# Altium PCB 便携T12烙铁2.PcbDoc (part 1 of 2)
Units mm, origin at the board's own origin, x right, y up, seen from the top; angles counter-clockwise.
Board outline 100 x 95 mm, 2 copper layers (Top Layer, Bottom Layer); 155 components, 22 nets, 605 pads, 185 vias.
Unrouted connection lines stored in the file: 84.
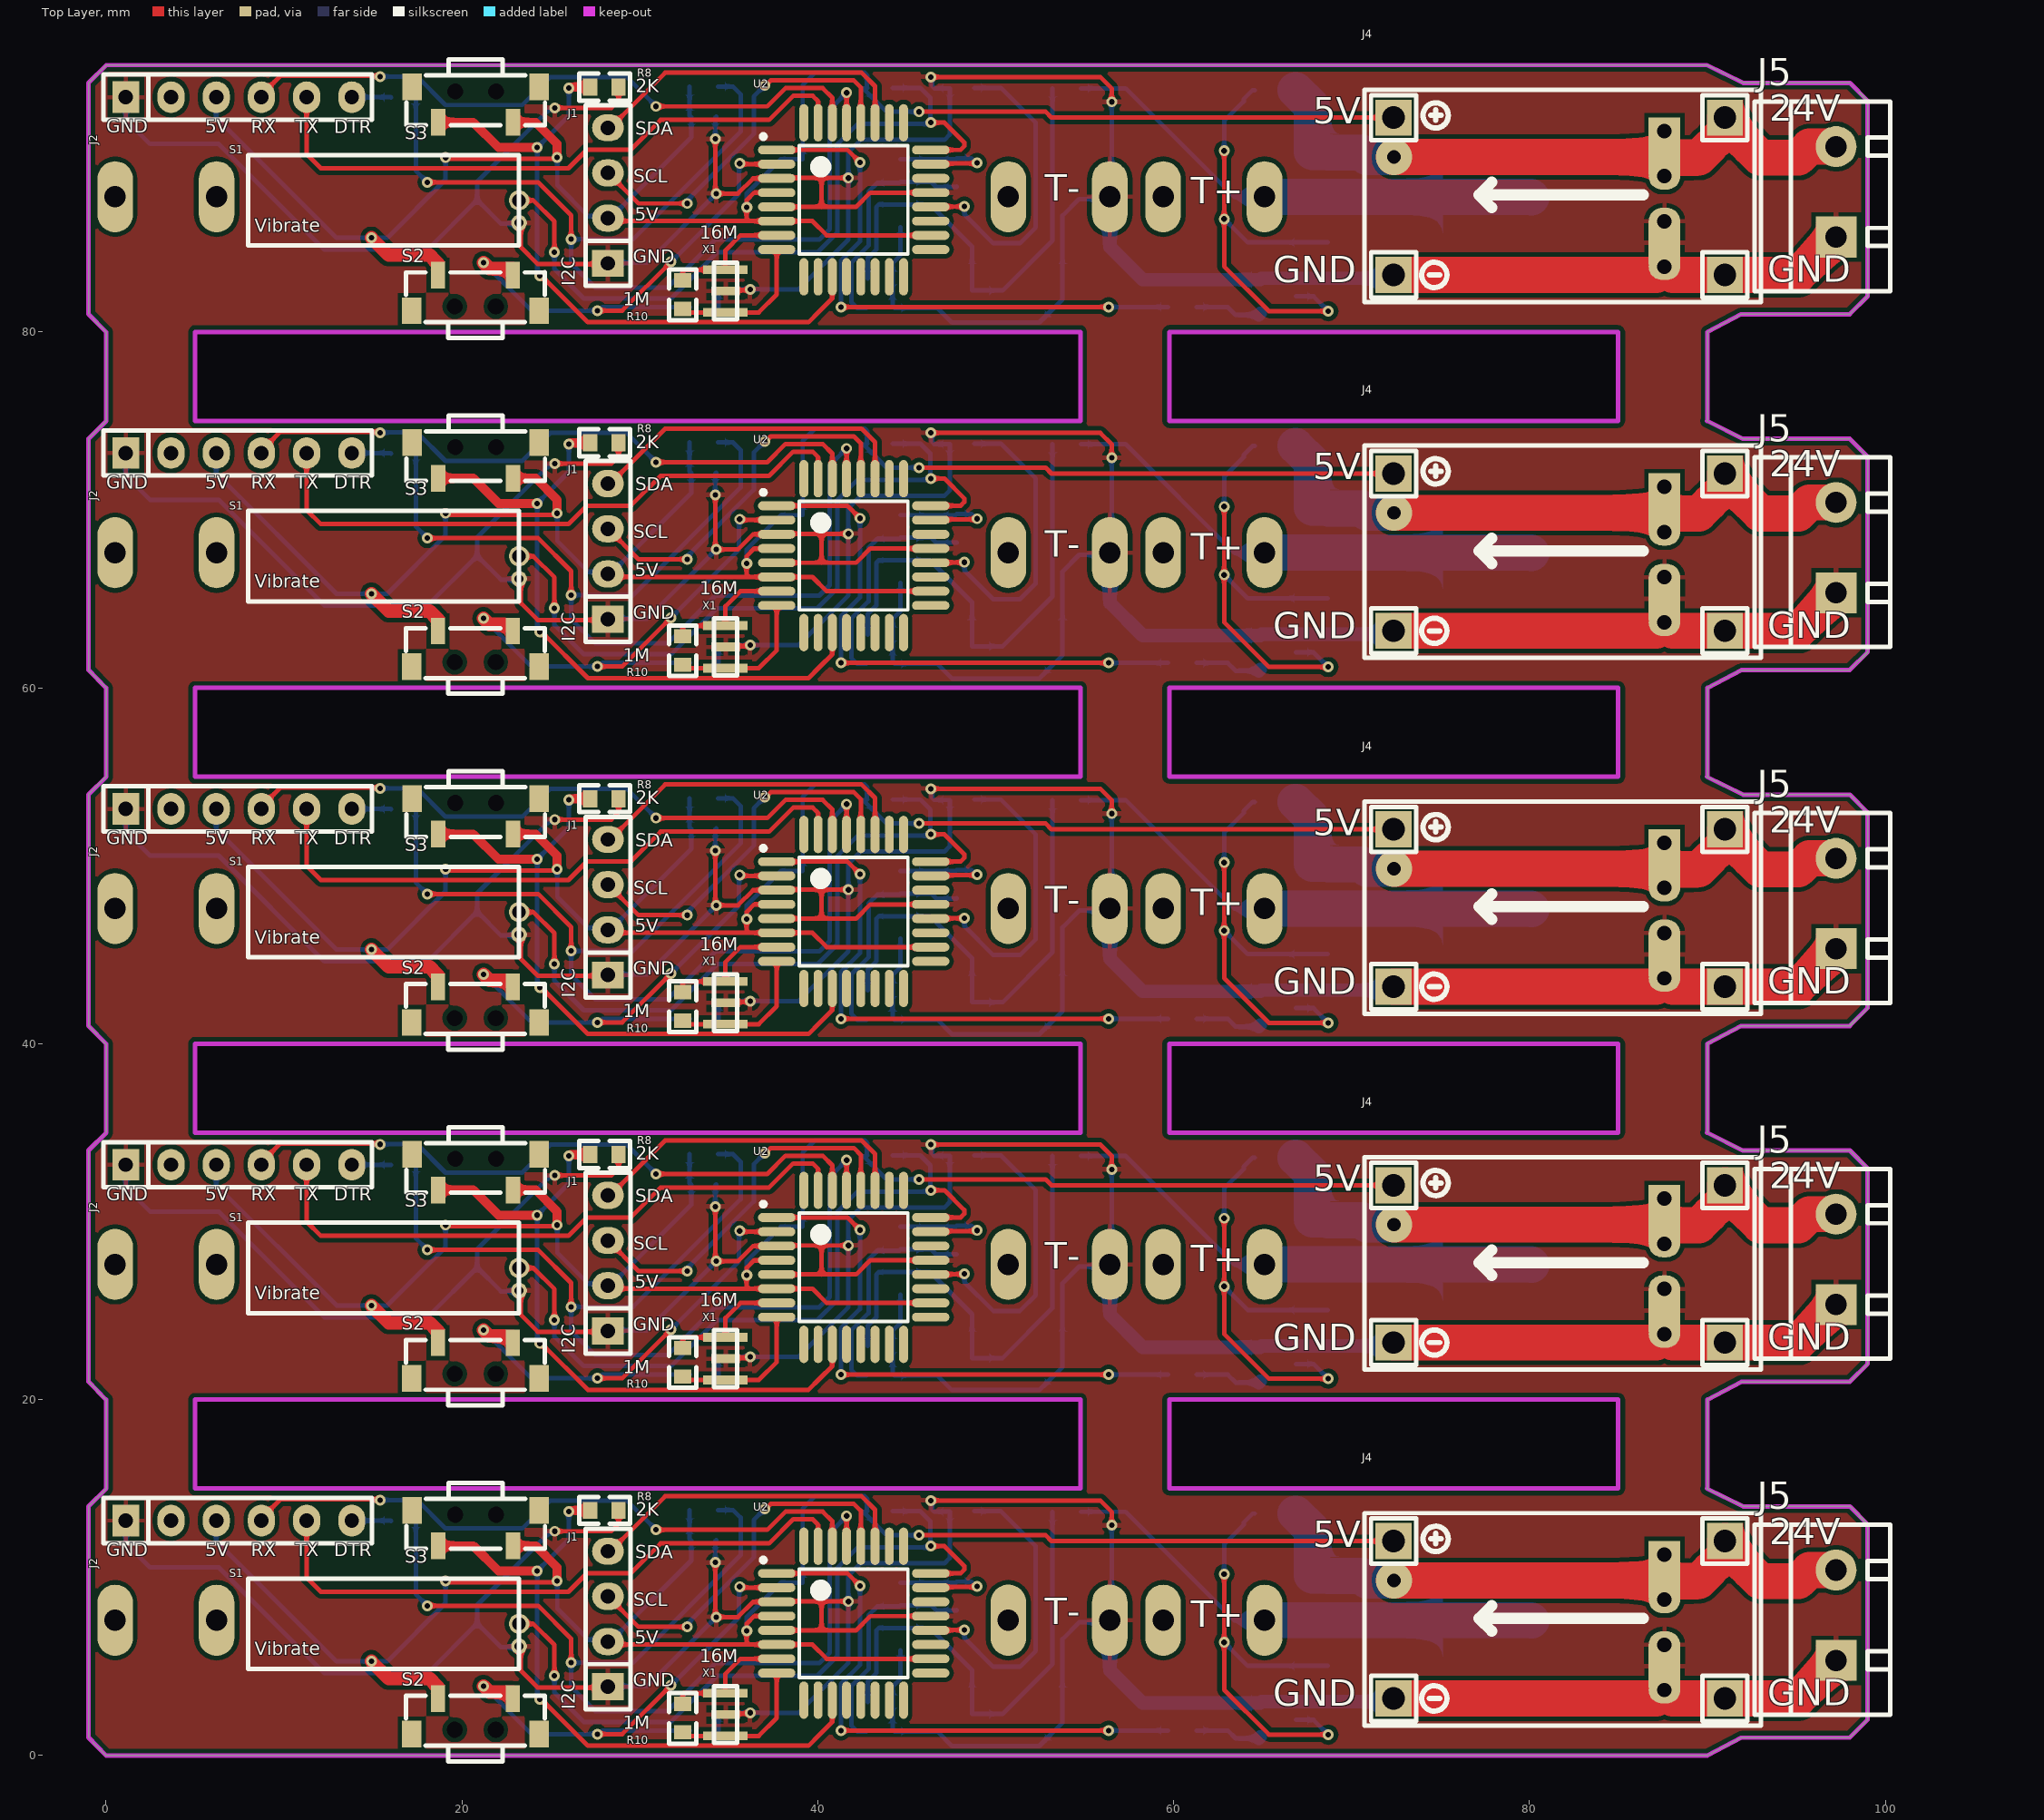
[diagram p0: Top Layer view]
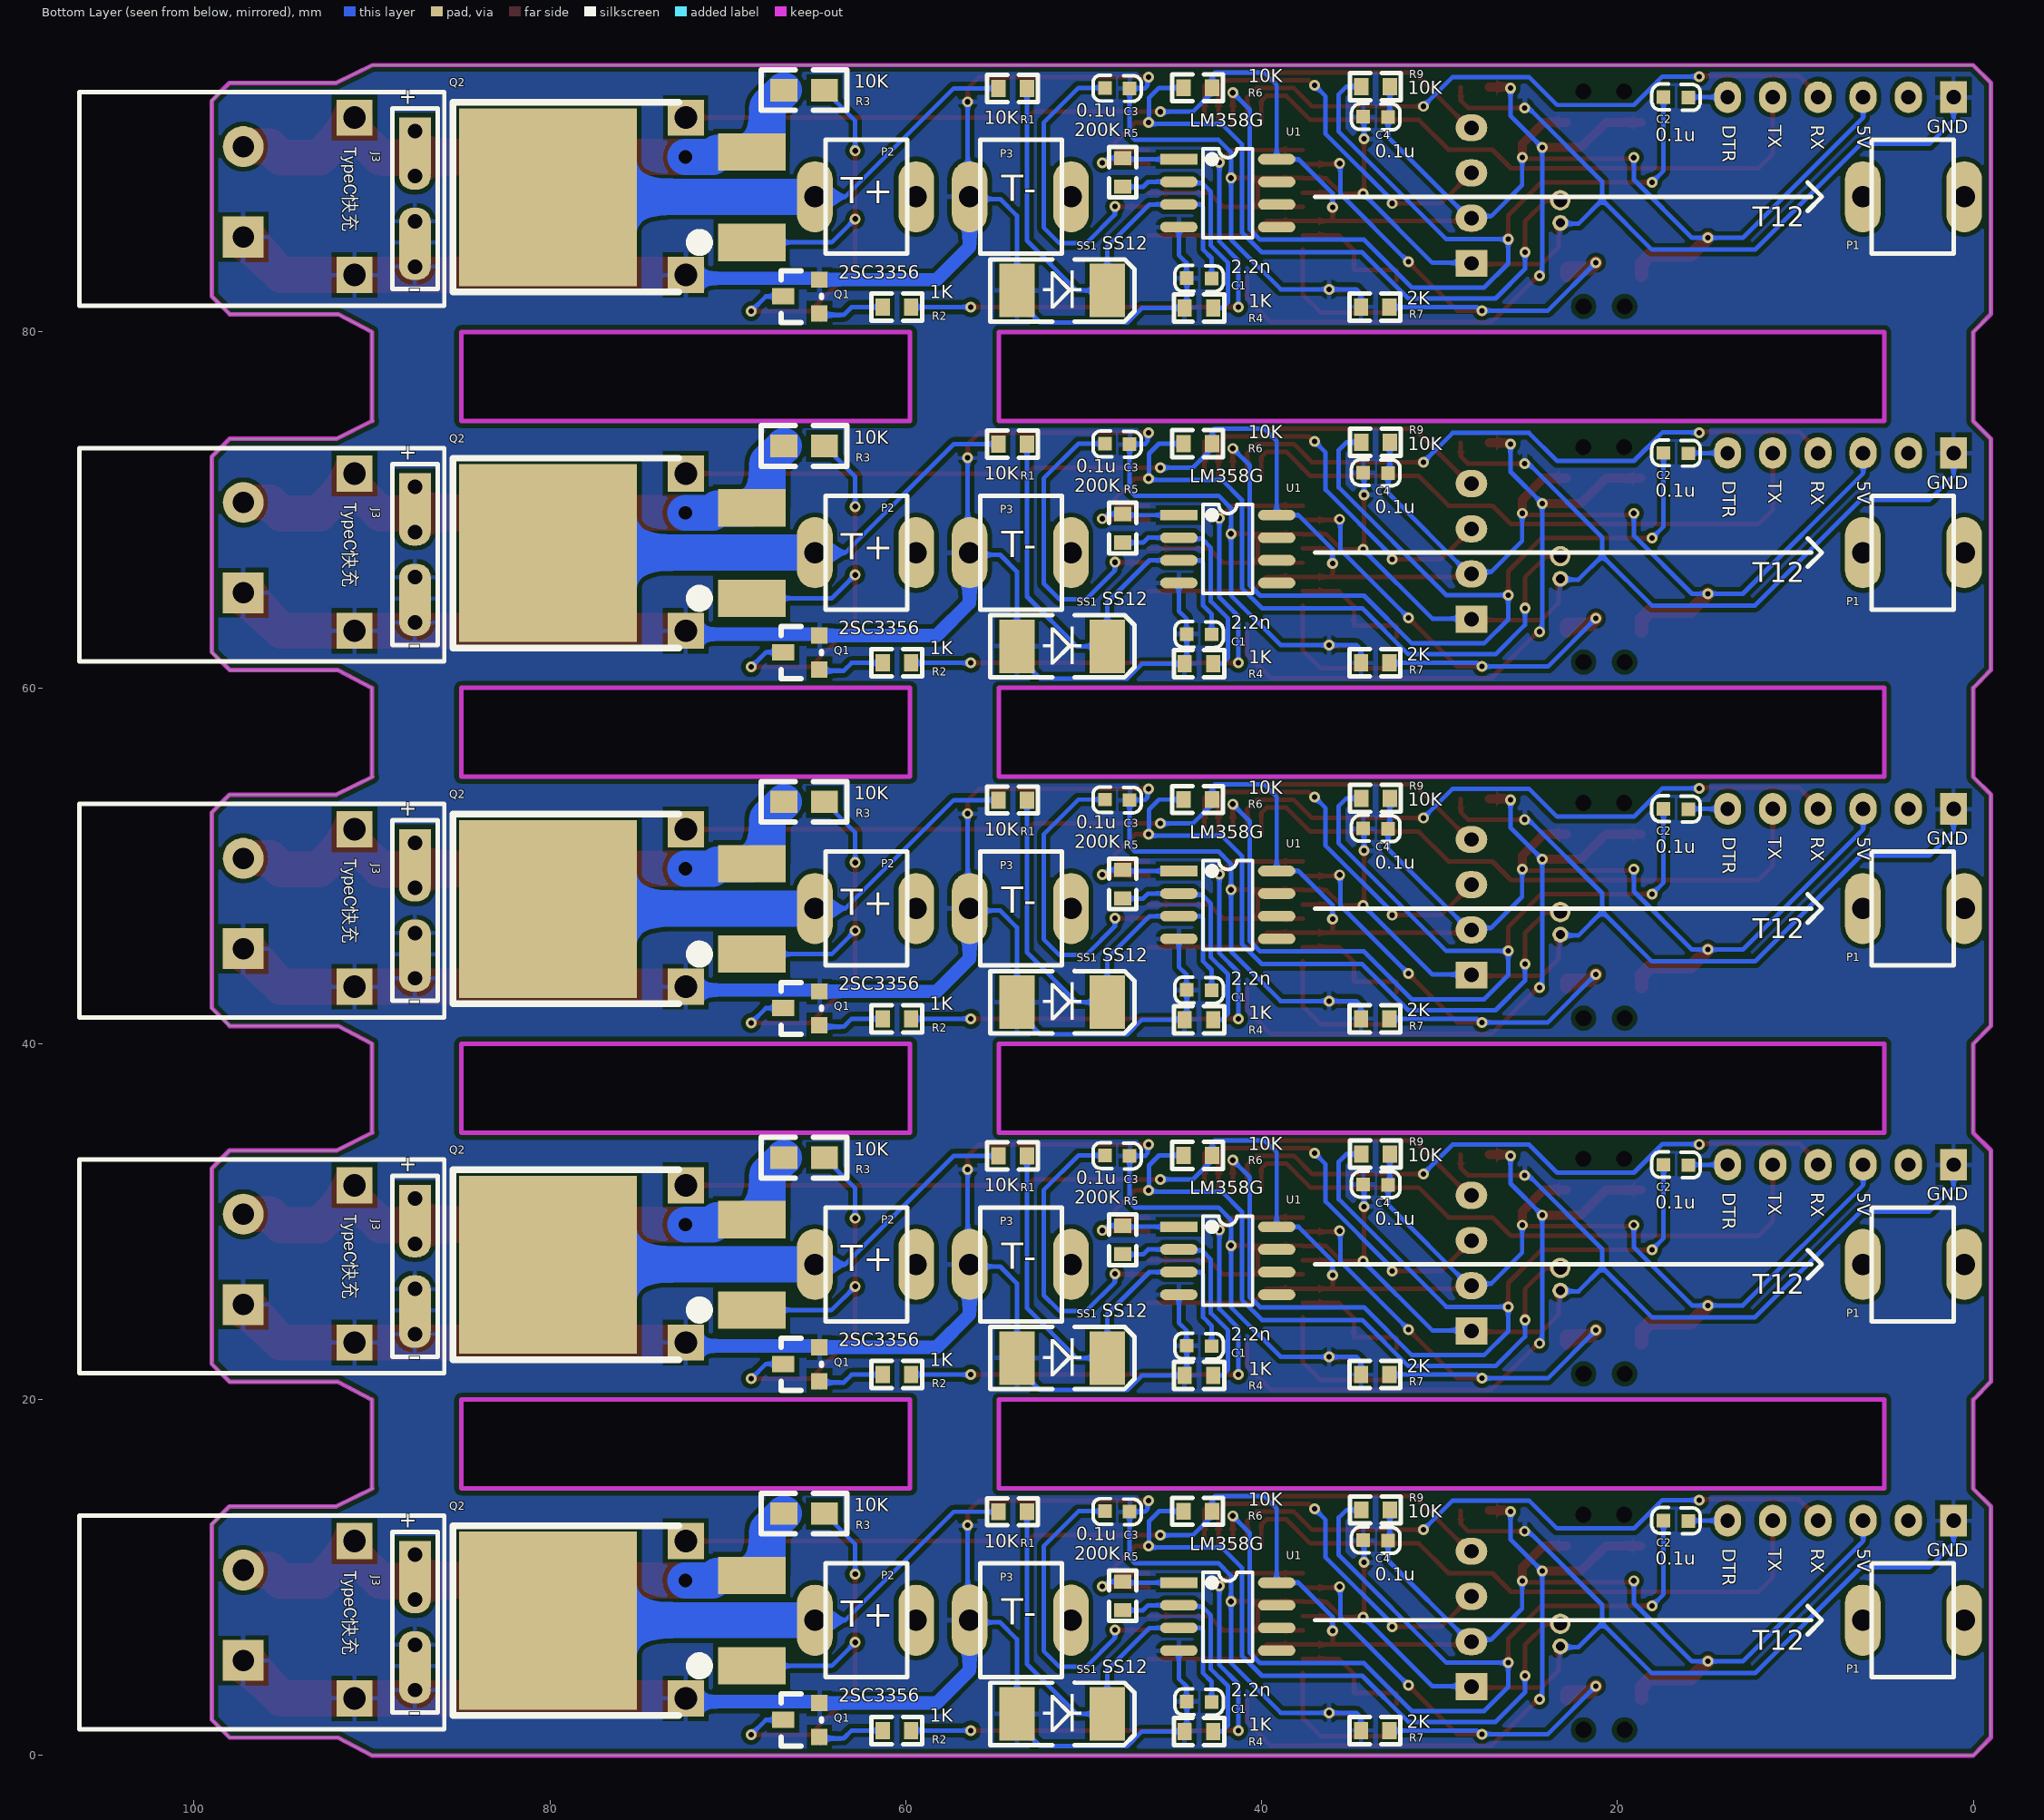
[diagram p1: Bottom Layer view, seen from below]

## Layer stack, top to bottom
Top Solder: solder mask 0.0102, Solder Resist, Dk 3.5
Top Layer: signal copper 0.0356
Dielectric 1: dielectric 0.32, FR-4, Dk 4.8
Bottom Layer: signal copper 0.0356
Bottom Solder: solder mask 0.0102, Solder Resist, Dk 3.5

## Board outline
-0.986,1.008 0,0 90.013,0 91.915,0.998 98.003,0.998 99.014,2.012 99.014,12.984 98.008,13.998 92.014,13.998 89.98,14.999 90.013,15.032 90.013,20 91.915,20.998 98.003,20.998 99.014,22.012 99.014,32.984 98.008,33.998 92.014,33.998 89.98,34.999 90.013,35.032 90.013,40 91.915,40.998 98.003,40.998 99.014,42.012 99.014,52.984 98.008,53.998 92.014,53.998 89.98,54.999 90.013,55.032 90.013,60 91.915,60.998 98.003,60.998 99.014,62.012 99.014,72.984 98.008,73.998 92.014,73.998 89.98,74.999 90.013,75.032 90.013,80 91.915,80.998 98.003,80.998 99.014,82.012 99.014,92.984 98.008,93.998 92.014,93.998 89.98,94.999 0.015,94.999 -0.986,93.998 -0.986,81.008 0,80 0.015,79.985 0.015,74.999 -0.986,73.998 -0.986,61.008 0,60 0.015,59.985 0.015,54.999 -0.986,53.998 -0.986,41.008 0,40 0.015,39.985 0.015,34.999 -0.986,33.998 -0.986,21.008 0,20 0.015,19.985 0.015,14.999 -0.986,13.998
cut-out: 5,79.999 54.75,79.999 54.75,75.014 54.765,74.999 5.015,74.999
cut-out: 59.765,79.999 84.979,79.999 84.979,74.999 59.765,74.999
cut-out: 5.015,59.999 54.765,59.999 54.765,55.014 54.78,54.999 5.03,54.999
cut-out: 59.78,59.999 84.994,59.999 84.994,54.999 59.78,54.999
cut-out: 5.015,39.999 54.765,39.999 54.765,35.014 54.78,34.999 5.03,34.999
cut-out: 59.78,39.999 84.994,39.999 84.994,34.999 59.78,34.999
cut-out: 59.765,19.999 84.979,19.999 84.979,14.999 59.765,14.999
cut-out: 5,19.999 54.75,19.999 54.75,15.014 54.765,14.999 5.015,14.999

## Design rules (kind name [scope] priority, off if disabled: settings)
Clearance [All] p1: gap=0.254 ignorepadtopadclearanceinfootprint=FALSE except(0: Arc-Hole Track-Hole SMDPad-Hole THPad-Hole Via-Hole Fill-Hole Poly-Hole Region-Hole Text-Hole)
PolygonConnect [All] p1: connectstyle=Relief reliefconductorwidth=0.254 reliefentries=4 polygonreliefangle="90 Angle" airgapwidth=0.254
RoutingVias [All] p1: holewidth=0.711 width=1.27 viastyle="Through Hole" minholewidth=0.711 minwidth=1.27 maxholewidth=0.711 maxwidth=1.27
SolderMaskExpansion [All] p1: expansion=0.102 istentingtop=FALSE
Width [All] p1: maxlimit=0.254 minlimit=0.254 preferedwidth=0.254
30 further rules are at their usual default settings.

## Components (designator, comment, footprint, x,y, rotation, side; value= is the part's Value field where it differs from the comment)
C1 "2.2n" 0603C 44.215,83.035 r180 bottom
C1 "2.2n" 0603C 44.215,63.035 r180 bottom
C1 "2.2n" 0603C 44.215,43.035 r180 bottom
C1 "2.2n" 0603C 44.215,23.035 r180 bottom
C1 "2.2n" 0603C 44.215,3.035 r180 bottom
C2 "0.1u" 0603C 16.012,93.165 r0 bottom
C2 "0.1u" 0603C 16.012,73.165 r0 bottom
C2 "0.1u" 0603C 16.012,53.165 r0 bottom
C2 "0.1u" 0603C 16.012,33.165 r0 bottom
C2 "0.1u" 0603C 16.012,13.165 r0 bottom
C3 "0.1u" 0603C 48.822,93.731 r180 bottom
C3 "0.1u" 0603C 48.822,73.731 r180 bottom
C3 "0.1u" 0603C 48.822,53.731 r180 bottom
C3 "0.1u" 0603C 48.822,33.731 r180 bottom
C3 "0.1u" 0603C 48.822,13.731 r180 bottom
C4 "0.1u" 0603C 32.889,92.062 r0 bottom
C4 "0.1u" 0603C 32.889,72.062 r0 bottom
C4 "0.1u" 0603C 32.889,52.062 r0 bottom
C4 "0.1u" 0603C 32.889,32.062 r0 bottom
C4 "0.1u" 0603C 32.889,12.062 r0 bottom
J1 "Pin HDR1X4" "PIN HDR1X4/2.54MM-S" 28.214,83.858 r180 top
J1 "Pin HDR1X4" "PIN HDR1X4/2.54MM-S" 28.214,63.858 r180 top
J1 "Pin HDR1X4" "PIN HDR1X4/2.54MM-S" 28.214,43.858 r180 top
J1 "Pin HDR1X4" "PIN HDR1X4/2.54MM-S" 28.214,23.858 r180 top
J1 "Pin HDR1X4" "PIN HDR1X4/2.54MM-S" 28.214,3.858 r180 top
J2 "下载接口" "PIN HDR1X6/2.54MM-S" 1.115,93.198 r90 top
J2 "下载接口" "PIN HDR1X6/2.54MM-S" 1.115,73.198 r90 top
J2 "下载接口" "PIN HDR1X6/2.54MM-S" 1.115,53.198 r90 top
J2 "下载接口" "PIN HDR1X6/2.54MM-S" 1.115,33.198 r90 top
J2 "下载接口" "PIN HDR1X6/2.54MM-S" 1.115,13.198 r90 top
J3 "ip2721D快充SCH封装" IP2721D快充PCB封装 93.352,85.744 r180 bottom
J3 "ip2721D快充SCH封装" IP2721D快充PCB封装 93.352,65.744 r180 bottom
J3 "ip2721D快充SCH封装" IP2721D快充PCB封装 93.352,45.744 r180 bottom
J3 "ip2721D快充SCH封装" IP2721D快充PCB封装 93.352,25.744 r180 bottom
J3 "ip2721D快充SCH封装" IP2721D快充PCB封装 93.352,5.744 r180 bottom
J4 "Pin HDR1X2" MP1584EN稳压PCB封装 75.546,77.616 r0 top
J4 "Pin HDR1X2" MP1584EN稳压PCB封装 75.546,57.616 r0 top
J4 "Pin HDR1X2" MP1584EN稳压PCB封装 75.546,37.616 r0 top
J4 "Pin HDR1X2" MP1584EN稳压PCB封装 75.546,17.616 r0 top
J4 "Pin HDR1X2" MP1584EN稳压PCB封装 75.546,-2.384 r0 top
J5 "KF301-2P" KF301-5.0-2P 97.238,85.338 r90 top
J5 "KF301-2P" KF301-5.0-2P 97.238,65.338 r90 top
J5 "KF301-2P" KF301-5.0-2P 97.238,45.338 r90 top
J5 "KF301-2P" KF301-5.0-2P 97.238,25.338 r90 top
J5 "KF301-2P" KF301-5.0-2P 97.238,5.338 r90 top
P1 "保险丝夹子" FUSE-5X20 0.515,87.599 r180 bottom
P1 "保险丝夹子" FUSE-5X20 0.515,67.599 r180 bottom
P1 "保险丝夹子" FUSE-5X20 0.515,47.599 r180 bottom
P1 "保险丝夹子" FUSE-5X20 0.515,27.599 r180 bottom
P1 "保险丝夹子" FUSE-5X20 0.515,7.599 r180 bottom
P2 "保险丝夹子" FUSE-5X20 65.114,87.599 r0 bottom
P2 "保险丝夹子" FUSE-5X20 65.114,67.599 r0 bottom
P2 "保险丝夹子" FUSE-5X20 65.114,47.599 r0 bottom
P2 "保险丝夹子" FUSE-5X20 65.114,27.599 r0 bottom
P2 "保险丝夹子" FUSE-5X20 65.114,7.599 r0 bottom
P3 "保险丝夹子" FUSE-5X20 56.415,87.6 r0 bottom
P3 "保险丝夹子" FUSE-5X20 56.415,67.6 r0 bottom
P3 "保险丝夹子" FUSE-5X20 56.415,47.6 r0 bottom
P3 "保险丝夹子" FUSE-5X20 56.415,27.6 r0 bottom
P3 "保险丝夹子" FUSE-5X20 56.415,7.6 r0 bottom
Q1 "NPN" SOT-23 65.75,81.923 r90 bottom
Q1 "NPN" SOT-23 65.75,61.923 r90 bottom
Q1 "NPN" SOT-23 65.75,41.923 r90 bottom
Q1 "NPN" SOT-23 65.75,21.923 r90 bottom
Q1 "NPN" SOT-23 65.75,1.923 r90 bottom
Q2 "P-MOS" TO263-3B 80.113,87.573 r90 bottom
Q2 "P-MOS" TO263-3B 80.113,67.573 r90 bottom
Q2 "P-MOS" TO263-3B 80.113,47.573 r90 bottom
Q2 "P-MOS" TO263-3B 80.113,27.573 r90 bottom
Q2 "P-MOS" TO263-3B 80.113,7.573 r90 bottom
R1 "10K" 0603R 54.794,93.695 r180 bottom
R1 "10K" 0603R 54.794,73.695 r180 bottom
R1 "10K" 0603R 54.794,53.695 r180 bottom
R1 "10K" 0603R 54.794,33.695 r180 bottom
R1 "10K" 0603R 54.794,13.695 r180 bottom
R2 "1K" 0603R 61.297,81.401 r180 bottom
R2 "1K" 0603R 61.297,61.401 r180 bottom
R2 "1K" 0603R 61.297,41.401 r180 bottom
R2 "1K" 0603R 61.297,21.401 r180 bottom
R2 "1K" 0603R 61.297,1.401 r180 bottom
R3 "10K" 0805R 64.573,93.593 r0 bottom
R3 "10K" 0805R 64.573,73.593 r0 bottom
R3 "10K" 0805R 64.573,53.593 r0 bottom
R3 "10K" 0805R 64.573,33.593 r0 bottom
R3 "10K" 0805R 64.573,13.593 r0 bottom
R4 "1K" 0603R 42.73,81.35 r0 bottom
R4 "1K" 0603R 42.73,61.35 r0 bottom
R4 "1K" 0603R 42.73,41.35 r0 bottom
R4 "1K" 0603R 42.73,21.35 r0 bottom
R4 "1K" 0603R 42.73,1.35 r0 bottom
R5 "200K" 0603R 47.817,89.769 r270 bottom
R5 "200K" 0603R 47.817,69.769 r270 bottom
R5 "200K" 0603R 47.817,49.769 r270 bottom
R5 "200K" 0603R 47.817,29.769 r270 bottom
R5 "200K" 0603R 47.817,9.769 r270 bottom
R6 "10K" 0603R 44.391,93.722 r180 bottom
R6 "10K" 0603R 44.391,73.722 r180 bottom
R6 "10K" 0603R 44.391,53.722 r180 bottom
R6 "10K" 0603R 44.391,33.722 r180 bottom
R6 "10K" 0603R 44.391,13.722 r180 bottom
R7 "2K" 0603R 34.417,81.4 r180 bottom
R7 "2K" 0603R 34.417,61.4 r180 bottom
R7 "2K" 0603R 34.417,41.4 r180 bottom
R7 "2K" 0603R 34.417,21.4 r180 bottom
R7 "2K" 0603R 34.417,1.4 r180 bottom
R8 "2K" 0603R 28.81,93.771 r180 top
R8 "2K" 0603R 28.81,73.771 r180 top
R8 "2K" 0603R 28.81,53.771 r180 top
R8 "2K" 0603R 28.81,33.771 r180 top
R8 "2K" 0603R 28.81,13.771 r180 top
R9 "10K" 0603R 34.398,93.796 r180 bottom
R9 "10K" 0603R 34.398,73.796 r180 bottom
R9 "10K" 0603R 34.398,53.796 r180 bottom
R9 "10K" 0603R 34.398,33.796 r180 bottom
R9 "10K" 0603R 34.398,13.796 r180 bottom
R10 "1M" 0603R 32.415,81.298 r90 top
R10 "1M" 0603R 32.415,61.298 r90 top
R10 "1M" 0603R 32.415,41.298 r90 top
R10 "1M" 0603R 32.415,21.298 r90 top
R10 "1M" 0603R 32.415,1.298 r90 top
S1 "S" S 23.216,87.399 r90 top
S1 "S" S 23.216,67.399 r90 top
S1 "S" S 23.216,47.399 r90 top
S1 "S" S 23.216,27.399 r90 top
S1 "S" S 23.216,7.399 r90 top
S2 "SW" "TSW 3*6*4.3-S-W" 20.758,81.442 r0 top
S2 "SW" "TSW 3*6*4.3-S-W" 20.758,61.442 r0 top
S2 "SW" "TSW 3*6*4.3-S-W" 20.758,41.442 r0 top
S2 "SW" "TSW 3*6*4.3-S-W" 20.758,21.442 r0 top
S2 "SW" "TSW 3*6*4.3-S-W" 20.758,1.442 r0 top
S3 "SW" "TSW 3*6*4.3-S-W" 20.774,93.529 r180 top
S3 "SW" "TSW 3*6*4.3-S-W" 20.774,73.529 r180 top
S3 "SW" "TSW 3*6*4.3-S-W" 20.774,53.529 r180 top
S3 "SW" "TSW 3*6*4.3-S-W" 20.774,33.529 r180 top
S3 "SW" "TSW 3*6*4.3-S-W" 20.774,13.529 r180 top
SS1 "1N5819" SMA/DO-214AC 53.63,82.333 r180 bottom
SS1 "1N5819" SMA/DO-214AC 53.63,62.333 r180 bottom
SS1 "1N5819" SMA/DO-214AC 53.63,42.333 r180 bottom
SS1 "1N5819" SMA/DO-214AC 53.63,22.333 r180 bottom
SS1 "1N5819" SMA/DO-214AC 53.63,2.333 r180 bottom
U1 "LM358G-S08-R" SOP8 44.655,89.707 r180 bottom
U1 "LM358G-S08-R" SOP8 44.655,69.707 r180 bottom
U1 "LM358G-S08-R" SOP8 44.655,49.707 r180 bottom
U1 "LM358G-S08-R" SOP8 44.655,29.707 r180 bottom
U1 "LM358G-S08-R" SOP8 44.655,9.707 r180 bottom
U2 "ATMEGA328P-AU" "TQFP32 7X7_M" 42.023,87.428 r270 top
U2 "ATMEGA328P-AU" "TQFP32 7X7_M" 42.023,67.428 r270 top
U2 "ATMEGA328P-AU" "TQFP32 7X7_M" 42.023,47.428 r270 top
U2 "ATMEGA328P-AU" "TQFP32 7X7_M" 42.023,27.428 r270 top
U2 "ATMEGA328P-AU" "TQFP32 7X7_M" 42.023,7.428 r270 top
X1 "16MHZ" 晶振3213 34.816,83.498 r0 top
X1 "16MHZ" 晶振3213 34.816,63.498 r0 top
X1 "16MHZ" 晶振3213 34.816,43.498 r0 top
X1 "16MHZ" 晶振3213 34.816,23.498 r0 top
X1 "16MHZ" 晶振3213 34.816,3.498 r0 top

## Footprints (in the part's own frame and the unit in brackets; to place one, negate y for a bottom-side part, rotate by r counter-clockwise, add the part's x,y. Pads: shape width x height; smd on the part's side, far side on the other; paste and mask are expansions set on the pad)
0603C [mil] "电容"
  rect 30x30 smd: 1(0.21,-0.35) 2(55.21,-1.35)
  silkscreen extent -26,-30 81,28, body extent -1,-15 62,16, height 12
0603R [mm] "电阻"
  rect 0.8x0.965 smd: 1(0,0) 2(1.6,0)
  silkscreen extent -0.64,-0.76 2.21,0.76, body extent -0.04,-0.41 1.56,0.41, height 0.45
0805R [mil] "电阻"
  rect 60x50 smd: 1(0,0) 2(90,0)
  silkscreen extent -50,-45 140,45, body extent 1,-25 80,25, height 15
FUSE-5X20 [mm] "保险丝夹子"
  oval 2x4 hole 1.2: 1(0,0) 2(-5.7,0)
  silkscreen extent -5.2,-3.2 -0.6,3.2
IP2721D快充PCB封装 [mil]
  oval 70x60 hole 32: 1(226.84,118.59) 2(226.84,-81.41) 2(226.84,18.59)
  rrect50% 70x110 all layers, no hole: 1(226.84,159.59)
  rect 70x60 hole 32: 1(226.84,218.59)
  rrect50% 70x130 all layers, no hole: 2(226.84,-28.41)
  silkscreen extent -515,-168 292,305, body extent 177,-131 277,269, height 336
KF301-5.0-2P [mm] "可拼接端子/6A"
  rect 2.3x2.3 hole 1.2: 1(0,0)
  round 2.3 hole 1.2: 2(5.08,0)
  silkscreen extent -3.05,-3.05 7.62,4.57, body extent -3,-3.09 7.5,4.51, height 10.05
MP1584EN稳压PCB封装 [mil]
  rect 80x80 hole 50: IN+(608,568) IN-(608,220) OUT+(-125,568) OUT-(-125,220)
  silkscreen extent -190,160 688,630, body extent -175,70 658,718, height 336
"PIN HDR1X4/2.54MM-S" [mil] "0.91 i2c oled"
  rect 70x60 hole 32: 1(0,0)
  oval 70x60 hole 32: 2(0,-100) 3(0,-200) 4(0,-300)
  silkscreen extent -50,-350 50,50, body extent -50,-350 50,50, height 336
"PIN HDR1X6/2.54MM-S" [mil] "下载接口"
  rect 70x60 hole 32: 1(0,0)
  oval 70x60 hole 32: 2(0,-100) 3(0,-200) 4(0,-300) 5(0,-400) 6(0,-500)
  silkscreen extent -50,-545 50,50, body extent -50,-545 50,55, height 336
S [mil] "震动开关"
  round 45 hole 30: 1(0,0)
  round 35 hole 20: 2(-50,0)
  silkscreen extent -100,0 100,600, body extent -69,-5 49,396, height 119
SMA/DO-214AC [mm] "塑封二极管"
  rect 2x3 smd: A(-0.127,0) K(4.953,0)
  silkscreen extent -1.63,-1.75 6.48,1.75, body extent 0.11,-1.35 4.71,1.35, height 2.4
SOP8 [mm] "LM358G-S08-R"
  rect 2.1x0.6 smd: 1(0,0)
  oval 2.1x0.6 smd: 2(0,-1.27) 3(0,-2.54) 4(0,-3.81) 5(5.5,-3.81) 6(5.5,-2.54) 7(5.5,-1.27) 8(5.5,0)
  silkscreen extent 1.35,-4.41 4.15,0.6, body extent -0.21,-4.4 5.8,0.6, height 1.9
SOT-23 [mil] "三极管"
  rect 36x36 smd: B(-35,-35) E(40,-35)
  rect 36x50 smd: C(3,45)
  silkscreen extent -55,-40 60,50, body extent -54,-48 60,62, height 47
TO263-3B [mm] "P-MOS"
  rect 10x10 smd: D(0,0)
  rect 2.1x3.8 smd: G(-2.54,-11.45) S(2.54,-11.45)
  silkscreen extent -5.33,-8.89 5.33,5.33, body extent -4.92,-11.05 5.08,3.88, height 4.5
"TQFP32 7X7_M" [mm] "32脚，体宽：7x7mm, 脚距：0.8mm ATMEGA328P-AU"
  oval 0.5x2.1 smd: 1(-2.803,-4.327) 2(-2.003,-4.327) 3(-1.203,-4.327) 4(-0.403,-4.327) 5(0.397,-4.327) 6(1.197,-4.327) 7(1.997,-4.327) 8(2.797,-4.327) 17(2.797,4.327) 18(1.997,4.327) 19(1.197,4.327) 20(0.397,4.327) 21(-0.403,4.327) 22(-1.203,4.327) 23(-2.003,4.327) 24(-2.803,4.327)
  oval 2.1x0.5 smd: 9(4.324,-2.8) 10(4.324,-2) 11(4.324,-1.2) 12(4.324,-0.4) 13(4.324,0.4) 14(4.324,1.2) 15(4.324,2) 16(4.324,2.8) 25(-4.33,2.8) 26(-4.33,2) 27(-4.33,1.2) 28(-4.33,0.4) 29(-4.33,-0.4) 30(-4.33,-1.2) 31(-4.33,-2) 32(-4.33,-2.8)
  silkscreen extent -3.68,-5.2 3.05,3.05, body extent -4.5,-4.5 4.5,4.5, height 1.05
"TSW 3*6*4.3-S-W" [mm] "侧立贴片3*6*4.3"
  rect 1.1x1.5 smd: 0(-3.575,-0.25) 0(3.575,-0.25)
  round 0 hole 0.9: 0(-1.15,0) 0(1.15,0)
  rect 0.8x1.5 smd: 1(-2.1,1.75) 2(2.1,1.75)
  silkscreen extent -3.9,-1.78 3.9,1.91, body extent -3.9,-1.79 3.9,1.91, height 3.51
晶振3213 [mil] "晶振3213"
  rect 98.5x19.6 smd: 1(0,0) 3(0,-94.4)
  rect 63x19.6 smd: 2(-0.05,-47.2)
  silkscreen extent -26,-110 26,16, body extent -30,-110 29,16, height 24

## Part data
C1 C1 C1 C1 C1 C2 C2 C2 C2 C2 C3 C3 C3 C3 C3 C4 C4 C4 C4 C4: library part CAP, "无极性电容"
J1 J1 J1 J1 J1: "0.91 i2c oled"
J2 J2 J2 J2 J2: library part "Pin HDR1X6"
J4 J4 J4 J4 J4: library part MP1584EN稳压SCH封装
Q1 Q1 Q1 Q1 Q1: "NPN三极管 / 2SC3356-T1B-A"
Q2 Q2 Q2 Q2 Q2: "P沟道场效应管 / IRF4905STRLPBF"
R1 R1 R1 R1 R1 R2 R2 R2 R2 R2 R3 R3 R3 R3 R3 R4 R4 R4 R4 R4 R5 R5 R5 R5 R5 R6 R6 R6 R6 R6 R7 R7 R7 R7 R7 R8 R8 R8 R8 R8 R9 R9 R9 R9 R9 R10 R10 R10 R10 R10: library part RES, "电阻"
S1 S1 S1 S1 S1: "震动开关 / SW180  建议SW18015"
S2 S2 S2 S2 S2 S3 S3 S3 S3 S3: "侧立按键开关 / 3*6*4.3"
SS1 SS1 SS1 SS1 SS1: library part "DIODE SCHOTTKY", "肖特基二极管SS12"
U1 U1 U1 U1 U1: "运放"
X1 X1 X1 X1 X1: library part 晶振3213, "晶振3213"

## Via types
v1: diameter 0.61, hole 0.31, Top Layer to Bottom Layer, 120 vias
v2: diameter 0.62, hole 0.305, Top Layer to Bottom Layer, 30 vias
v3: diameter 0.61, hole 0.33, Top Layer to Bottom Layer, 20 vias
v4: diameter 0.61/0.61 (per signal layer), hole 0.33, Top Layer to Bottom Layer, 10 vias
v5: diameter 2.032/0.61 (per signal layer), hole 0.762, Top Layer to Bottom Layer, 5 vias

## Nets (pads, with @x,y where several pads share a name; then routed paths per layer and width w, separated by ;. In a path a pad name is that pad's centre, name@x,y a point inside that pad or via, vN(x,y) a via of type N, cw(c..) or ccw(c..) an arc to the next point about the centre after c; other vN are vias at no path point)
5V: C4.1 J1.2 J2.3 J4.OUT+ R6.2 R9.2 S2.1 S3.1 U1.8 U2.4 U2.6 U2.18 | length 574.3
  Top Layer w0.254: v3(19.082,9.808) 19.158,9.732 25.279,9.732 v1(25.356,9.809) ; v3(19.082,29.808) 19.158,29.732 25.279,29.732 v1(25.356,29.809) ; v3(19.082,49.808) 19.158,49.732 25.279,49.732 v1(25.356,49.809) ; v3(19.082,69.808) 19.158,69.732 25.279,69.732 v1(25.356,69.809) ; v3(19.082,89.808) 19.158,89.732 25.279,89.732 v1(25.356,89.809) ; J1.2@28.214,6.398 28.382,6.231 36.165,6.231 ; J1.2@28.214,26.398 28.382,26.231 36.165,26.231 ; J1.2@28.214,46.398 28.382,46.231 36.165,46.231 ; J1.2@28.214,66.398 28.382,66.231 36.165,66.231 ; J1.2@28.214,86.398 28.382,86.231 36.165,86.231 ; U2.4@37.696,7.831 36.434,7.831 36.016,7.413 v2(36.016,6.999) 35.997,6.98 35.997,6.398 36.165,6.231 ; U2.4@37.696,27.831 36.434,27.831 36.016,27.413 v2(36.016,26.999) 35.997,26.98 35.997,26.398 36.165,26.231 ; U2.4@37.696,47.831 36.434,47.831 36.016,47.413 v2(36.016,46.999) 35.997,46.98 35.997,46.398 36.165,46.231 ; U2.4@37.696,67.831 36.434,67.831 36.016,67.413 v2(36.016,66.999) 35.997,66.98 35.997,66.398 36.165,66.231 ; U2.4@37.696,87.831 36.434,87.831 36.016,87.413 v2(36.016,86.999) 35.997,86.98 35.997,86.398 36.165,86.231 ; v1(45.686,12.374) 52.813,12.374 53.143,12.044 J4.OUT+@72.371,12.044 ; v1(45.686,32.374) 52.813,32.374 53.143,32.044 J4.OUT+@72.371,32.044 ; v1(45.686,52.374) 52.813,52.374 53.143,52.044 J4.OUT+@72.371,52.044 ; v1(45.686,72.374) 52.813,72.374 53.143,72.044 J4.OUT+@72.371,72.044 ; v1(45.686,92.374) 52.813,92.374 53.143,92.044 J4.OUT+@72.371,92.044 ; U2.18@46.35,5.431 40.503,5.431 39.703,6.231 U2.6@37.696,6.231 36.165,6.231 ; U2.18@46.35,25.431 40.503,25.431 39.703,26.231 U2.6@37.696,26.231 36.165,26.231 ; U2.18@46.35,45.431 40.503,45.431 39.703,46.231 U2.6@37.696,46.231 36.165,46.231 ; U2.18@46.35,65.431 40.503,65.431 39.703,66.231 U2.6@37.696,66.231 36.165,66.231 ; U2.18@46.35,85.431 40.503,85.431 39.703,86.231 U2.6@37.696,86.231 36.165,86.231
  Top Layer w0.508: S3.1@22.874,11.779 24.148,11.779 25.356,10.571 v1(25.356,9.809) ; S3.1@22.874,31.779 24.148,31.779 25.356,30.571 v1(25.356,29.809) ; S3.1@22.874,51.779 24.148,51.779 25.356,50.571 v1(25.356,49.809) ; S3.1@22.874,71.779 24.148,71.779 25.356,70.571 v1(25.356,69.809) ; S3.1@22.874,91.779 24.148,91.779 25.356,90.571 v1(25.356,89.809)
  Top Layer w0.762: v1(14.916,5.287) 15.881,4.323 18.192,4.323 18.639,3.877 18.639,3.211 S2.1@18.658,3.192 ; v1(14.916,25.287) 15.881,24.323 18.192,24.323 18.639,23.877 18.639,23.211 S2.1@18.658,23.192 ; v1(14.916,45.287) 15.881,44.323 18.192,44.323 18.639,43.877 18.639,43.211 S2.1@18.658,43.192 ; v1(14.916,65.287) 15.881,64.323 18.192,64.323 18.639,63.877 18.639,63.211 S2.1@18.658,63.192 ; v1(14.916,85.287) 15.881,84.323 18.192,84.323 18.639,83.877 18.639,83.211 S2.1@18.658,83.192
  Bottom Layer w0.254: J2.3@6.195,13.198 6.195,12.053 12.961,5.287 v1(14.916,5.287) 15.811,5.287 19.082,8.558 v3(19.082,9.808) ; J2.3@6.195,33.198 6.195,32.053 12.961,25.287 v1(14.916,25.287) 15.811,25.287 19.082,28.558 v3(19.082,29.808) ; J2.3@6.195,53.198 6.195,52.053 12.961,45.287 v1(14.916,45.287) 15.811,45.287 19.082,48.558 v3(19.082,49.808) ; J2.3@6.195,73.198 6.195,72.053 12.961,65.287 v1(14.916,65.287) 15.811,65.287 19.082,68.558 v3(19.082,69.808) ; J2.3@6.195,93.198 6.195,92.053 12.961,85.287 v1(14.916,85.287) 15.811,85.287 19.082,88.558 v3(19.082,89.808) ; v1(25.356,9.809) 25.363,9.801 25.363,8.252 27.098,6.517 28.095,6.517 J1.2@28.214,6.398 28.341,6.398 32.894,10.951 C4.1@32.894,12.071 32.798,12.167 R9.2@32.798,13.796 ; v1(25.356,29.809) 25.363,29.801 25.363,28.252 27.098,26.517 28.095,26.517 J1.2@28.214,26.398 28.341,26.398 32.894,30.951 C4.1@32.894,32.071 32.798,32.167 R9.2@32.798,33.796 ; v1(25.356,49.809) 25.363,49.801 25.363,48.252 27.098,46.517 28.095,46.517 J1.2@28.214,46.398 28.341,46.398 32.894,50.951 C4.1@32.894,52.071 32.798,52.167 R9.2@32.798,53.796 ; v1(25.356,69.809) 25.363,69.801 25.363,68.252 27.098,66.517 28.095,66.517 J1.2@28.214,66.398 28.341,66.398 32.894,70.951 C4.1@32.894,72.071 32.798,72.167 R9.2@32.798,73.796 ; v1(25.356,89.809) 25.363,89.801 25.363,88.252 27.098,86.517 28.095,86.517 J1.2@28.214,86.398 28.341,86.398 32.894,90.951 C4.1@32.894,92.071 32.798,92.167 R9.2@32.798,93.796 ; v2(36.016,6.999) 36.016,7.794 37.929,9.707 U1.8@39.155,9.707 39.155,13.88 39.842,14.567 42.645,14.567 42.774,14.437 42.774,13.739 R6.2@42.791,13.722 ; v2(36.016,26.999) 36.016,27.794 37.929,29.707 U1.8@39.155,29.707 39.155,33.88 39.842,34.567 42.645,34.567 42.774,34.437 42.774,33.739 R6.2@42.791,33.722 ; v2(36.016,46.999) 36.016,47.794 37.929,49.707 U1.8@39.155,49.707 39.155,53.88 39.842,54.567 42.645,54.567 42.774,54.437 42.774,53.739 R6.2@42.791,53.722 ; v2(36.016,66.999) 36.016,67.794 37.929,69.707 U1.8@39.155,69.707 39.155,73.88 39.842,74.567 42.645,74.567 42.774,74.437 42.774,73.739 R6.2@42.791,73.722 ; v2(36.016,86.999) 36.016,87.794 37.929,89.707 U1.8@39.155,89.707 39.155,93.88 39.842,94.567 42.645,94.567 42.774,94.437 42.774,93.739 R6.2@42.791,93.722 ; R6.2@42.574,13.68 43.88,12.374 v1(45.686,12.374) ; R6.2@42.574,33.68 43.88,32.374 v1(45.686,32.374) ; R6.2@42.574,53.68 43.88,52.374 v1(45.686,52.374) ; R6.2@42.574,73.68 43.88,72.374 v1(45.686,72.374) ; R6.2@42.574,93.68 43.88,92.374 v1(45.686,92.374)
DTR: C2.1 J2.6 | length 11.1
  Bottom Layer w0.254: J2.6@13.815,13.198 15.993,13.198 C2.1@16.017,13.174 ; J2.6@13.815,33.198 15.993,33.198 C2.1@16.017,33.174 ; J2.6@13.815,53.198 15.993,53.198 C2.1@16.017,53.174 ; J2.6@13.815,73.198 15.993,73.198 C2.1@16.017,73.174 ; J2.6@13.815,93.198 15.993,93.198 C2.1@16.017,93.174
GND: C1.1 C3.2 C4.2 J1.1 J2.1 J3.2 J4.IN- J4.OUT- J5.1 P3.1 Q1.E R4.2 R7.1 R8.1 S1.2 SS1.A U1.4 U2.3 U2.5 U2.21 X1.2 | length 940.6
  Top Layer w0.254: S1.2@23.216,6.129 23.318,6.026 23.318,4.759 24.264,3.814 28.17,3.814 J1.1@28.214,3.858 ; S1.2@23.216,26.129 23.318,26.026 23.318,24.759 24.264,23.814 28.17,23.814 J1.1@28.214,23.858 ; S1.2@23.216,46.129 23.318,46.026 23.318,44.759 24.264,43.814 28.17,43.814 J1.1@28.214,43.858 ; S1.2@23.216,66.129 23.318,66.026 23.318,64.759 24.264,63.814 28.17,63.814 J1.1@28.214,63.858 ; S1.2@23.216,86.129 23.318,86.026 23.318,84.759 24.264,83.814 28.17,83.814 J1.1@28.214,83.858 ; v1(25.216,12.599) 28.4,12.599 28.81,13.009 R8.1@28.81,13.771 ; v1(25.216,32.599) 28.4,32.599 28.81,33.009 R8.1@28.81,33.771 ; v1(25.216,52.599) 28.4,52.599 28.81,53.009 R8.1@28.81,53.771 ; v1(25.216,72.599) 28.4,72.599 28.81,73.009 R8.1@28.81,73.771 ; v1(25.216,92.599) 28.4,92.599 28.81,93.009 R8.1@28.81,93.771 ; v1(34.246,10.85) 34.246,7.827 v1@34.347,7.827 ; v1(34.246,30.85) 34.246,27.827 v1@34.347,27.827 ; v1(34.246,50.85) 34.246,47.827 v1@34.347,47.827 ; v1(34.246,70.85) 34.246,67.827 v1@34.347,67.827 ; v1(34.246,90.85) 34.246,87.827 v1@34.347,87.827 ; v1(34.297,7.776) 35.516,7.776 36.37,8.631 U2.3@37.696,8.631 37.726,8.661 40.215,8.661 ; v1(34.297,27.776) 35.516,27.776 36.37,28.631 U2.3@37.696,28.631 37.726,28.661 40.215,28.661 ; v1(34.297,47.776) 35.516,47.776 36.37,48.631 U2.3@37.696,48.631 37.726,48.661 40.215,48.661 ; v1(34.297,67.776) 35.516,67.776 36.37,68.631 U2.3@37.696,68.631 37.726,68.661 40.215,68.661 ; v1(34.297,87.776) 35.516,87.776 36.37,88.631 U2.3@37.696,88.631 37.726,88.661 40.215,88.661 ; X1.2@34.815,2.299 34.865,2.349 36.151,2.349 v1(36.201,2.399) ; X1.2@34.815,22.299 34.865,22.349 36.151,22.349 v1(36.201,22.399) ; X1.2@34.815,42.299 34.865,42.349 36.151,42.349 v1(36.201,42.399) ; X1.2@34.815,62.299 34.865,62.349 36.151,62.349 v1(36.201,62.399) ; X1.2@34.815,82.299 34.865,82.349 36.151,82.349 v1(36.201,82.399) ; U2.5@37.696,7.031 40.215,7.031 ; U2.5@37.696,27.031 40.215,27.031 ; U2.5@37.696,47.031 40.215,47.031 ; U2.5@37.696,67.031 40.215,67.031 ; U2.5@37.696,87.031 40.215,87.031 ; v3(41.726,8.653) 41.718,8.661 40.215,8.661 ; v3(41.726,28.653) 41.718,28.661 40.215,28.661 ; v3(41.726,48.653) 41.718,48.661 40.215,48.661 ; v3(41.726,68.653) 41.718,68.661 40.215,68.661 ; v3(41.726,88.653) 41.718,88.661 40.215,88.661 ; U2.21@46.35,7.831 42.962,7.831 42.162,7.031 40.215,7.031 ; U2.21@46.35,27.831 42.962,27.831 42.162,27.031 40.215,27.031 ; U2.21@46.35,47.831 42.962,47.831 42.162,47.031 40.215,47.031 ; U2.21@46.35,67.831 42.962,67.831 42.162,67.031 40.215,67.031 ; U2.21@46.35,87.831 42.962,87.831 42.162,87.031 40.215,87.031 ; v1(46.354,14.329) 55.887,14.329 56.522,13.695 v1(56.522,12.933) ; v1(46.354,34.329) 55.887,34.329 56.522,33.695 v1(56.522,32.933) ; v1(46.354,54.329) 55.887,54.329 56.522,53.695 v1(56.522,52.933) ; v1(46.354,74.329) 55.887,74.329 56.522,73.695 v1(56.522,72.933) ; v1(46.354,94.329) 55.887,94.329 56.522,93.695 v1(56.522,92.933) ; 40.215,7.031 40.215,8.661 ; 40.215,27.031 40.215,28.661 ; 40.215,47.031 40.215,48.661 ; 40.215,67.031 40.215,68.661 ; 40.215,87.031 40.215,88.661
  Top Layer w2.032: J4.OUT-@72.371,3.204 87.118,3.204 J3.2@87.59,3.677 88.062,3.204 95.104,3.204 J5.1@97.238,5.338 ; J4.OUT-@72.371,23.204 87.118,23.204 J3.2@87.59,23.677 88.062,23.204 95.104,23.204 J5.1@97.238,25.338 ; J4.OUT-@72.371,43.204 87.118,43.204 J3.2@87.59,43.677 88.062,43.204 95.104,43.204 J5.1@97.238,45.338 ; J4.OUT-@72.371,63.204 87.118,63.204 J3.2@87.59,63.677 88.062,63.204 95.104,63.204 J5.1@97.238,65.338 ; J4.OUT-@72.371,83.204 87.118,83.204 J3.2@87.59,83.677 88.062,83.204 95.104,83.204 J5.1@97.238,85.338
  Bottom Layer w0.254: J2.1@1.115,13.198 1.115,11.926 2.47,10.57 6.331,10.57 12.275,4.627 18.066,4.627 20.86,7.421 ; J2.1@1.115,33.198 1.115,31.926 2.47,30.57 6.331,30.57 12.275,24.627 18.066,24.627 20.86,27.421 ; J2.1@1.115,53.198 1.115,51.926 2.47,50.57 6.331,50.57 12.275,44.627 18.066,44.627 20.86,47.421 ; J2.1@1.115,73.198 1.115,71.926 2.47,70.57 6.331,70.57 12.275,64.627 18.066,64.627 20.86,67.421 ; J2.1@1.115,93.198 1.115,91.926 2.47,90.57 6.331,90.57 12.275,84.627 18.066,84.627 20.86,87.421 ; S1.2@23.216,6.129 23.167,6.081 22.2,6.081 20.86,7.421 ; S1.2@23.216,26.129 23.167,26.081 22.2,26.081 20.86,27.421 ; S1.2@23.216,46.129 23.167,46.081 22.2,46.081 20.86,47.421 ; S1.2@23.216,66.129 23.167,66.081 22.2,66.081 20.86,67.421 ; S1.2@23.216,86.129 23.167,86.081 22.2,86.081 20.86,87.421 ; v1(25.216,12.599) 25.147,12.531 24.937,12.531 20.86,8.454 20.86,7.421 ; v1(25.216,32.599) 25.147,32.531 24.937,32.531 20.86,28.454 20.86,27.421 ; v1(25.216,52.599) 25.147,52.531 24.937,52.531 20.86,48.454 20.86,47.421 ; v1(25.216,72.599) 25.147,72.531 24.937,72.531 20.86,68.454 20.86,67.421 ; v1(25.216,92.599) 25.147,92.531 24.937,92.531 20.86,88.454 20.86,87.421 ; J1.1@28.214,3.858 28.247,3.89 30.411,3.89 v1(34.297,7.776) ; J1.1@28.214,23.858 28.247,23.89 30.411,23.89 v1(34.297,27.776) ; J1.1@28.214,43.858 28.247,43.89 30.411,43.89 v1(34.297,47.776) ; J1.1@28.214,63.858 28.247,63.89 30.411,63.89 v1(34.297,67.776) ; J1.1@28.214,83.858 28.247,83.89 30.411,83.89 v1(34.297,87.776) ; v1(34.246,10.85) 34.246,12.051 C4.2@34.291,12.097 ; v1(34.246,30.85) 34.246,32.051 C4.2@34.291,32.097 ; v1(34.246,50.85) 34.246,52.051 C4.2@34.291,52.097 ; v1(34.246,70.85) 34.246,72.051 C4.2@34.291,72.097 ; v1(34.246,90.85) 34.246,92.051 C4.2@34.291,92.097 ; R7.1@34.417,1.4 34.424,1.406 34.424,2.138 34.685,2.399 v1(36.201,2.399) 38.927,2.399 41.726,5.198 41.726,10.101 42.425,10.799 47.127,10.799 47.419,11.091 C3.2@47.419,13.697 46.563,13.697 46.422,13.838 46.422,14.261 v1(46.354,14.329) ; R7.1@34.417,21.4 34.424,21.406 34.424,22.138 34.685,22.399 v1(36.201,22.399) 38.927,22.399 41.726,25.198 41.726,30.101 42.425,30.799 47.127,30.799 47.419,31.091 C3.2@47.419,33.697 46.563,33.697 46.422,33.838 46.422,34.261 v1(46.354,34.329) ; R7.1@34.417,41.4 34.424,41.406 34.424,42.138 34.685,42.399 v1(36.201,42.399) 38.927,42.399 41.726,45.198 41.726,50.101 42.425,50.799 47.127,50.799 47.419,51.091 C3.2@47.419,53.697 46.563,53.697 46.422,53.838 46.422,54.261 v1(46.354,54.329) ; R7.1@34.417,61.4 34.424,61.406 34.424,62.138 34.685,62.399 v1(36.201,62.399) 38.927,62.399 41.726,65.198 41.726,70.101 42.425,70.799 47.127,70.799 47.419,71.091 C3.2@47.419,73.697 46.563,73.697 46.422,73.838 46.422,74.261 v1(46.354,74.329) ; R7.1@34.417,81.4 34.424,81.406 34.424,82.138 34.685,82.399 v1(36.201,82.399) 38.927,82.399 41.726,85.198 41.726,90.101 42.425,90.799 47.127,90.799 47.419,91.091 C3.2@47.419,93.697 46.563,93.697 46.422,93.838 46.422,94.261 v1(46.354,94.329) ; U1.4@44.655,5.897 44.655,4.317 44.228,3.89 44.228,3.044 C1.1@44.21,3.026 44.21,1.47 R4.2@44.33,1.35 46.728,1.35 47.55,0.528 52.452,0.528 53.757,1.833 SS1.A@53.757,2.333 53.757,6.535 54.698,7.477 P3.1@56.415,7.477 ; U1.4@44.655,25.897 44.655,24.317 44.228,23.89 44.228,23.044 C1.1@44.21,23.026 44.21,21.47 R4.2@44.33,21.35 46.728,21.35 47.55,20.528 52.452,20.528 53.757,21.833 SS1.A@53.757,22.333 53.757,26.535 54.698,27.477 P3.1@56.415,27.477 ; U1.4@44.655,45.897 44.655,44.317 44.228,43.89 44.228,43.044 C1.1@44.21,43.026 44.21,41.47 R4.2@44.33,41.35 46.728,41.35 47.55,40.528 52.452,40.528 53.757,41.833 SS1.A@53.757,42.333 53.757,46.535 54.698,47.477 P3.1@56.415,47.477 ; U1.4@44.655,65.897 44.655,64.317 44.228,63.89 44.228,63.044 C1.1@44.21,63.026 44.21,61.47 R4.2@44.33,61.35 46.728,61.35 47.55,60.528 52.452,60.528 53.757,61.833 SS1.A@53.757,62.333 53.757,66.535 54.698,67.477 P3.1@56.415,67.477 ; U1.4@44.655,85.897 44.655,84.317 44.228,83.89 44.228,83.044 C1.1@44.21,83.026 44.21,81.47 R4.2@44.33,81.35 46.728,81.35 47.55,80.528 52.452,80.528 53.757,81.833 SS1.A@53.757,82.333 53.757,86.535 54.698,87.477 P3.1@56.415,87.477 ; P3.1@56.415,7.6 56.522,7.706 v1(56.522,12.933) ; P3.1@56.415,27.6 56.522,27.706 v1(56.522,32.933) ; P3.1@56.415,47.6 56.522,47.706 v1(56.522,52.933) ; P3.1@56.415,67.6 56.522,67.706 v1(56.522,72.933) ; P3.1@56.415,87.6 56.522,87.706 v1(56.522,92.933)
  Bottom Layer w0.762: P3.1@56.415,7.6 56.415,7.477 56.415,4.784 58.26,2.939 Q1.E@64.861,2.939 64.938,3.015 72.182,3.015 J4.OUT-@72.371,3.204 ; P3.1@56.415,27.6 56.415,27.477 56.415,24.784 58.26,22.939 Q1.E@64.861,22.939 64.938,23.015 72.182,23.015 J4.OUT-@72.371,23.204 ; P3.1@56.415,47.6 56.415,47.477 56.415,44.784 58.26,42.939 Q1.E@64.861,42.939 64.938,43.015 72.182,43.015 J4.OUT-@72.371,43.204 ; P3.1@56.415,67.6 56.415,67.477 56.415,64.784 58.26,62.939 Q1.E@64.861,62.939 64.938,63.015 72.182,63.015 J4.OUT-@72.371,63.204 ; P3.1@56.415,87.6 56.415,87.477 56.415,84.784 58.26,82.939 Q1.E@64.861,82.939 64.938,83.015 72.182,83.015 J4.OUT-@72.371,83.204
Hall: R6.1 S1.1 U2.24 | length 211.5
  Top Layer w0.254: S1.1@23.216,7.399 23.219,7.395 24.019,7.395 25.203,6.211 v2(25.203,4.478) ; S1.1@23.216,27.399 23.219,27.395 24.019,27.395 25.203,26.211 v2(25.203,24.478) ; S1.1@23.216,47.399 23.219,47.395 24.019,47.395 25.203,46.211 v2(25.203,44.478) ; S1.1@23.216,67.399 23.219,67.395 24.019,67.395 25.203,66.211 v2(25.203,64.478) ; S1.1@23.216,87.399 23.219,87.395 24.019,87.395 25.203,86.211 v2(25.203,84.478) ; U2.24@46.35,10.231 48.029,10.231 48.238,10.44 48.238,10.65 47.123,11.764 v1@46.359,11.764 ; U2.24@46.35,30.231 48.029,30.231 48.238,30.44 48.238,30.65 47.123,31.764 v1@46.359,31.764 ; U2.24@46.35,50.231 48.029,50.231 48.238,50.44 48.238,50.65 47.123,51.764 v1@46.359,51.764 ; U2.24@46.35,70.231 48.029,70.231 48.238,70.44 48.238,70.65 47.123,71.764 v1@46.359,71.764 ; U2.24@46.35,90.231 48.029,90.231 48.238,90.44 48.238,90.65 47.123,91.764 v1@46.359,91.764
  Bottom Layer w0.254: v2(25.203,4.478) 25.203,3.535 26.854,1.884 31.757,1.884 34.347,4.474 39.987,4.474 41.117,5.604 41.117,10.558 42.247,11.688 46.283,11.688 v1(46.359,11.764) ; v2(25.203,24.478) 25.203,23.535 26.854,21.884 31.757,21.884 34.347,24.474 39.987,24.474 41.117,25.604 41.117,30.558 42.247,31.688 46.283,31.688 v1(46.359,31.764) ; v2(25.203,44.478) 25.203,43.535 26.854,41.884 31.757,41.884 34.347,44.474 39.987,44.474 41.117,45.604 41.117,50.558 42.247,51.688 46.283,51.688 v1(46.359,51.764) ; v2(25.203,64.478) 25.203,63.535 26.854,61.884 31.757,61.884 34.347,64.474 39.987,64.474 41.117,65.604 41.117,70.558 42.247,71.688 46.283,71.688 v1(46.359,71.764) ; v2(25.203,84.478) 25.203,83.535 26.854,81.884 31.757,81.884 34.347,84.474 39.987,84.474 41.117,85.604 41.117,90.558 42.247,91.688 46.283,91.688 v1(46.359,91.764) ; R6.1@44.214,13.722 45.775,13.722 46.336,13.161 v1@46.336,11.742 ; R6.1@44.214,33.722 45.775,33.722 46.336,33.161 v1@46.336,31.742 ; R6.1@44.214,53.722 45.775,53.722 46.336,53.161 v1@46.336,51.742 ; R6.1@44.214,73.722 45.775,73.722 46.336,73.161 v1@46.336,71.742 ; R6.1@44.214,93.722 45.775,93.722 46.336,93.161 v1@46.336,91.742
L_but: R7.2 S2.2 U2.2 | length 147.3
  Top Layer w0.254: v1(27.614,1.199) 29.014,1.199 v1(31.757,3.941) ; v1(27.614,21.199) 29.014,21.199 v1(31.757,23.941) ; v1(27.614,41.199) 29.014,41.199 v1(31.757,43.941) ; v1(27.614,61.199) 29.014,61.199 v1(31.757,63.941) ; v1(27.614,81.199) 29.014,81.199 v1(31.757,83.941) ; v3(35.617,9.478) 35.665,9.431 U2.2@37.696,9.431 ; v3(35.617,29.478) 35.665,29.431 U2.2@37.696,29.431 ; v3(35.617,49.478) 35.665,49.431 U2.2@37.696,49.431 ; v3(35.617,69.478) 35.665,69.431 U2.2@37.696,69.431 ; v3(35.617,89.478) 35.665,89.431 U2.2@37.696,89.431
  Top Layer w0.762: v2(21.216,3.899) 21.554,3.561 22.839,3.561 22.858,3.542 S2.2@22.858,3.192 ; v2(21.216,23.899) 21.554,23.561 22.839,23.561 22.858,23.542 S2.2@22.858,23.192 ; v2(21.216,43.899) 21.554,43.561 22.839,43.561 22.858,43.542 S2.2@22.858,43.192 ; v2(21.216,63.899) 21.554,63.561 22.839,63.561 22.858,63.542 S2.2@22.858,63.192 ; v2(21.216,83.899) 21.554,83.561 22.839,83.561 22.858,83.542 S2.2@22.858,83.192
  Bottom Layer w0.254: v2(21.216,3.899) 23.916,1.199 v1(27.614,1.199) 27.711,1.199 27.912,1.4 R7.2@32.817,1.4 ; v2(21.216,23.899) 23.916,21.199 v1(27.614,21.199) 27.711,21.199 27.912,21.4 R7.2@32.817,21.4 ; v2(21.216,43.899) 23.916,41.199 v1(27.614,41.199) 27.711,41.199 27.912,41.4 R7.2@32.817,41.4 ; v2(21.216,63.899) 23.916,61.199 v1(27.614,61.199) 27.711,61.199 27.912,61.4 R7.2@32.817,61.4 ; v2(21.216,83.899) 23.916,81.199 v1(27.614,81.199) 27.711,81.199 27.912,81.4 R7.2@32.817,81.4 ; v1(31.757,3.941) 35.584,7.769 35.584,9.445 v3(35.617,9.478) ; v1(31.757,23.941) 35.584,27.769 35.584,29.445 v3(35.617,29.478) ; v1(31.757,43.941) 35.584,47.769 35.584,49.445 v3(35.617,49.478) ; v1(31.757,63.941) 35.584,67.769 35.584,69.445 v3(35.617,69.478) ; v1(31.757,83.941) 35.584,87.769 35.584,89.445 v3(35.617,89.478)